# Altium PCB AccessControl_V1.0.0.PcbDoc (part 1 of 3) (continued)
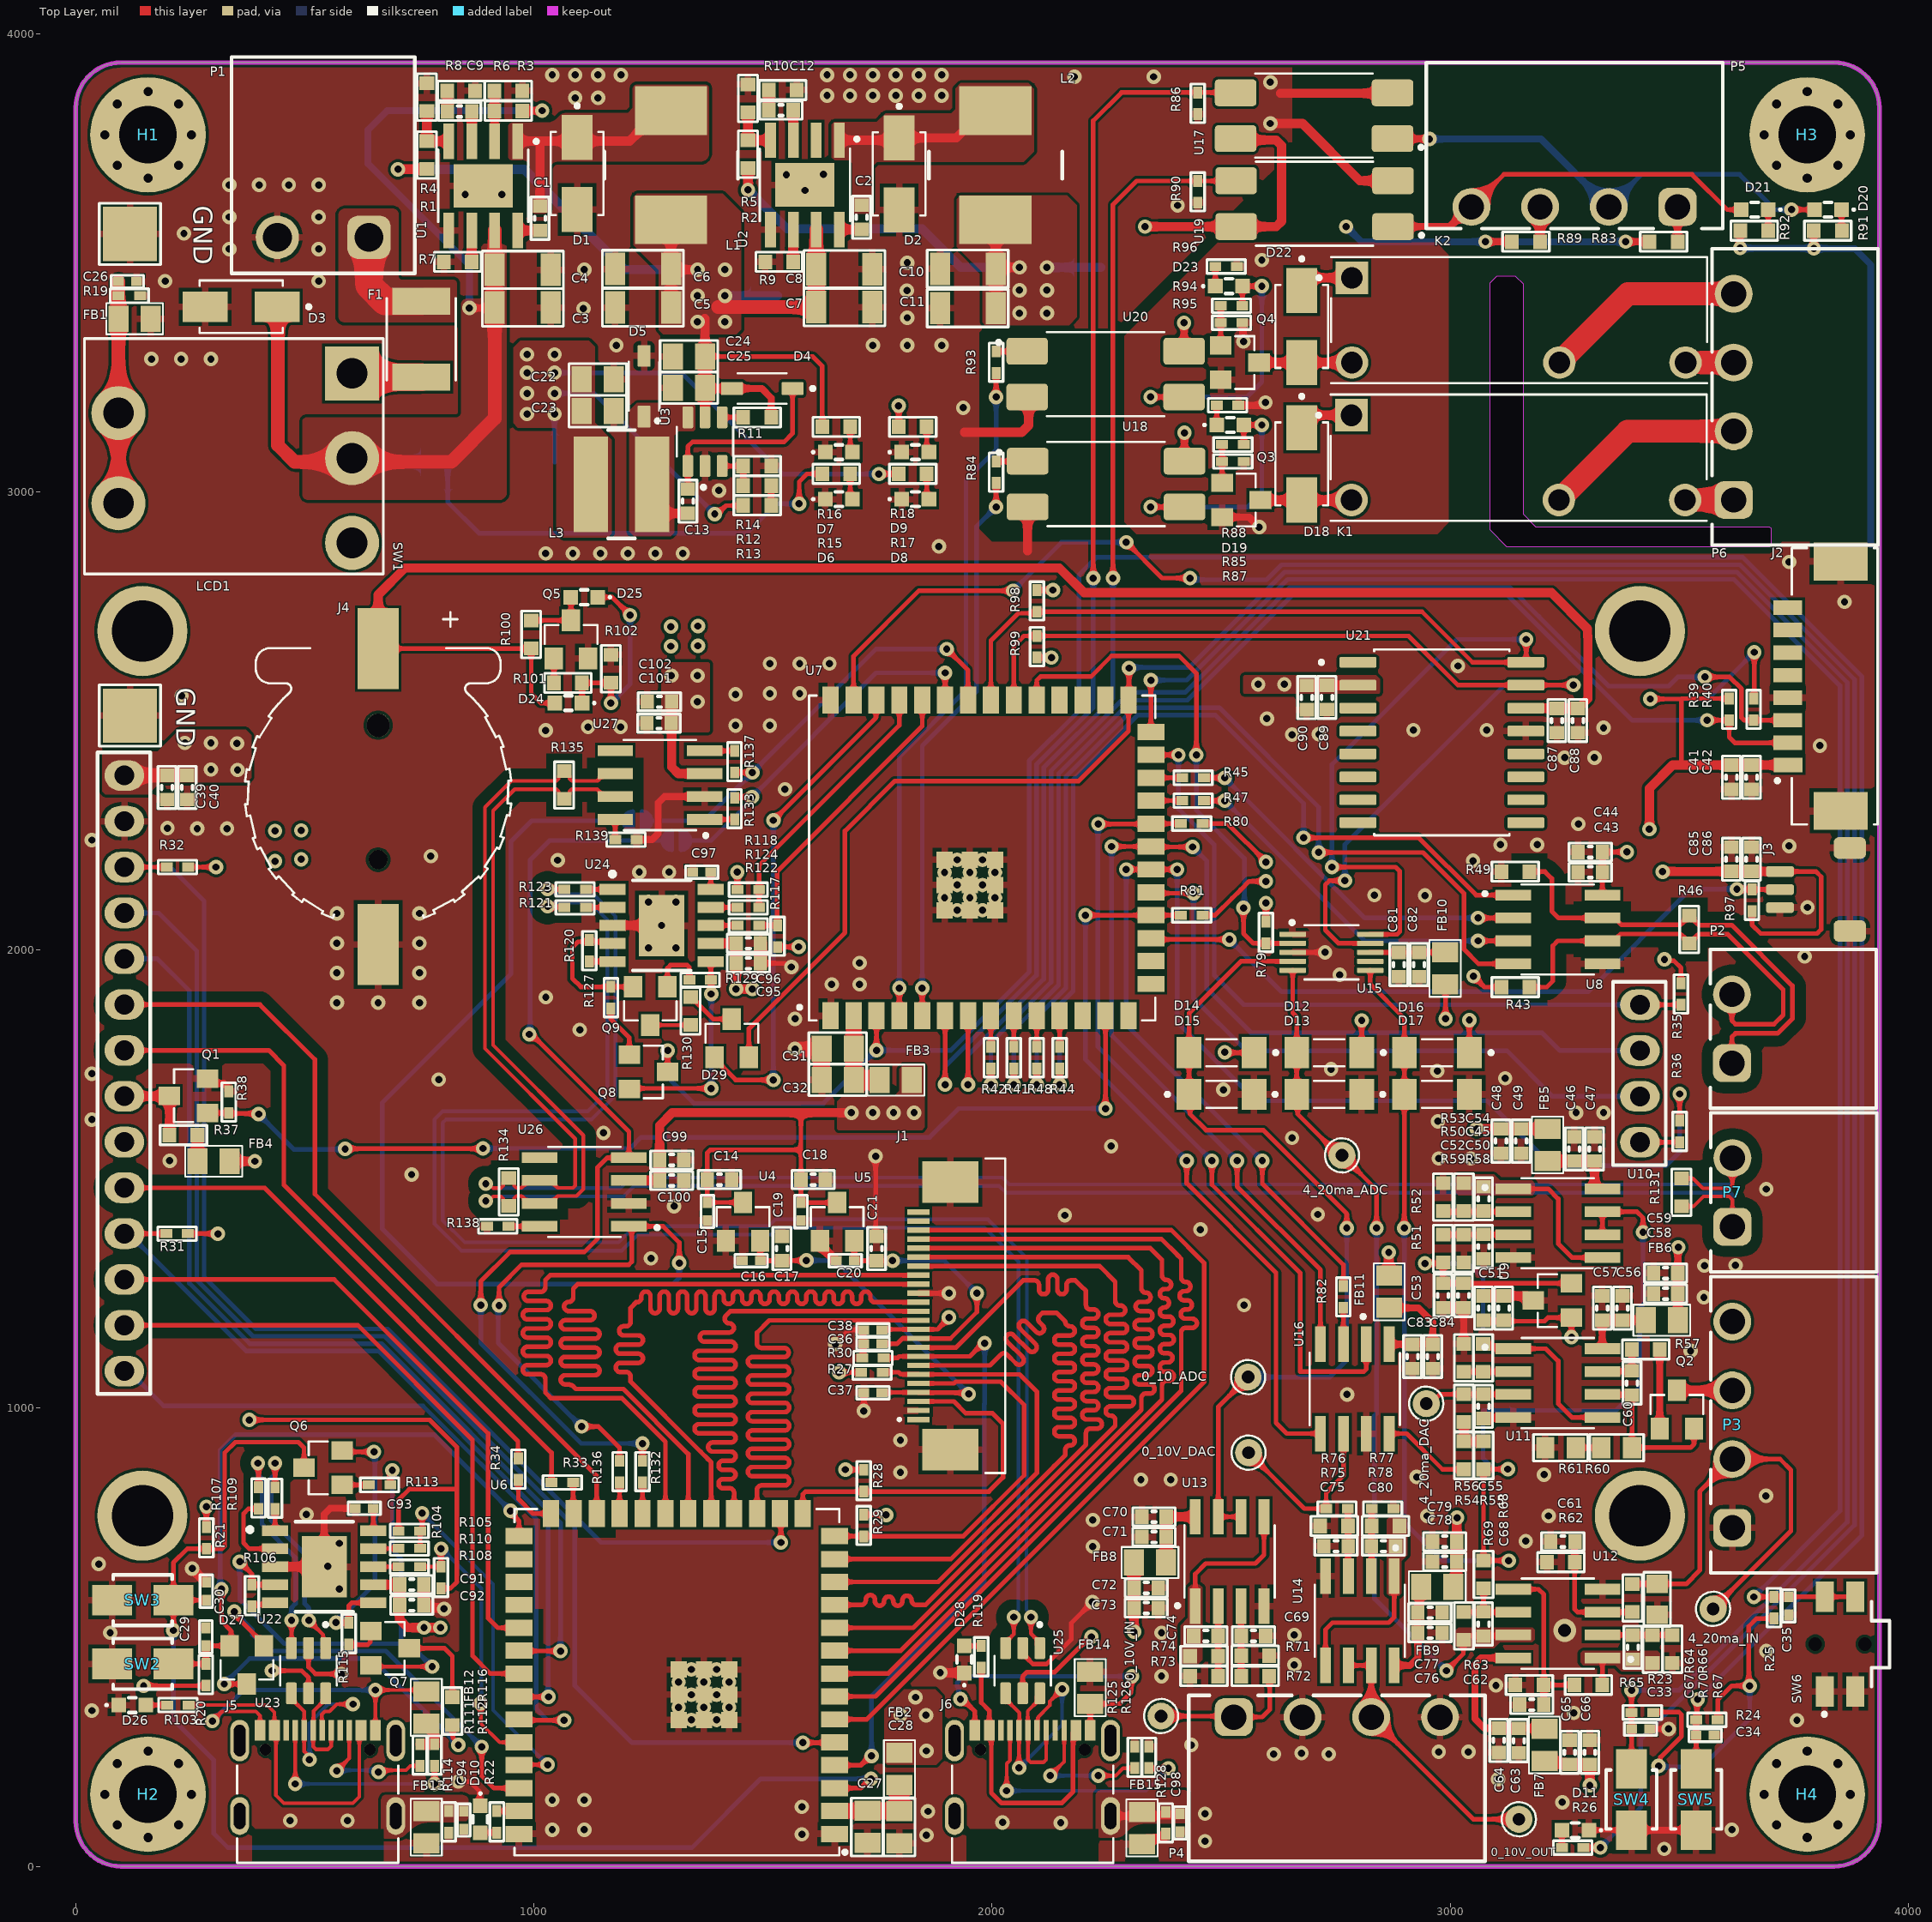
[diagram p0: Top Layer view]
## Design rules (kind name [scope] priority, off if disabled: settings)
Clearance SCK_SPI_TOUCH [InNet('NetLCD1_10')] p1: gap=24 ignorepadtopadclearanceinfootprint=FALSE
Clearance MISO_SPI_TOUCH [InNet('NetLCD1_13')] p2: gap=24 ignorepadtopadclearanceinfootprint=FALSE
Clearance MOSI_SPI_TOUCH [InNet('NetLCD1_12')] p3: gap=24 ignorepadtopadclearanceinfootprint=FALSE
Clearance MOSI_SPI_LCD [InNet('NetLCD1_6')] p4: gap=24 ignorepadtopadclearanceinfootprint=FALSE
Clearance SCK_SPI_LCD [InNet('NetLCD1_7')] p5: gap=24 ignorepadtopadclearanceinfootprint=FALSE
Clearance Diff_clearance [InDifferentialPairClass('All Differential Pairs') vs InPoly] p6: gap=23.62 ignorepadtopadclearanceinfootprint=FALSE
Clearance [All] p7: gap=6 ignorepadtopadclearanceinfootprint=FALSE
DiffPairsRouting [All] p1: maxlimit=10 minlimit=10 mostfreqgap=10 toplayer_minwidth=8 toplayer_maxwidth=15 toplayer_prefwidth=10 midlayer1_minwidth=15 midlayer1_maxwidth=15 midlayer1_prefwidth=15 midlayer2_minwidth=15 midlayer2_maxwidth=15 midlayer2_prefwidth=15 bottomlayer_minwidth=8 bottomlayer_maxwidth=15 bottomlayer_prefwidth=10 maxuncoupledlength=500
PlaneConnect [All] p1: planeconnectstyle=Direct reliefexpansion=20 reliefentries=4 reliefconductorwidth=10 reliefairgap=10
PolygonConnect PolygonConnect_3 [InNet('GND')] p1: thpad.connectstyle=Relief thpad.reliefconductorwidth=15 thpad.reliefentries=4 thpad.polygonreliefangle="90 Angle" thpad.airgapwidth=8 smdpad.connectstyle=Relief smdpad.reliefconductorwidth=15 smdpad.reliefentries=4 smdpad.polygonreliefangle="90 Angle" smdpad.airgapwidth=8 via.connectstyle=Direct via.reliefconductorwidth=15 via.reliefentries=4 via.polygonreliefangle="90 Angle" via.airgapwidth=8
PolygonConnect PolygonConnect_2 [All vs IsNamedPolygon('GND_L01_P000')] p2: connectstyle=Relief reliefconductorwidth=30 reliefentries=4 polygonreliefangle="90 Angle" airgapwidth=15
PolygonConnect PolygonConnect_1 [All vs IsNamedPolygon('GND_L01_P000')] p3: connectstyle=Relief reliefconductorwidth=10 reliefentries=4 polygonreliefangle="90 Angle" airgapwidth=10
PolygonConnect [All] p4: connectstyle=Direct reliefconductorwidth=10 reliefentries=4 polygonreliefangle="90 Angle" airgapwidth=10
RoutingVias [All] p1: holewidth=15.75 width=31.5 viastyle="Through Hole" minholewidth=15.75 minwidth=31.5 maxholewidth=15.75 maxwidth=31.5
SolderMaskExpansion SolderMaskExpansion_Via [IsVia] p1: expansion=4 istentingtop=TRUE
SolderMaskExpansion [All] p2: expansion=4 istentingtop=FALSE
SupplyNets "Schematic Supply Nets_13" [InNet('3V3')] p1: voltage=0.000
SupplyNets "Schematic Supply Nets_12" [InNet('12V')] p2: voltage=0.000
SupplyNets "Schematic Supply Nets_11" [InNet('1V2')] p3: voltage=0.000
SupplyNets "Schematic Supply Nets_10" [InNet('GND')] p4: voltage=0.000
SupplyNets "Schematic Supply Nets_9" [InNet('12V_FILTER_4')] p5: voltage=0.000
SupplyNets "Schematic Supply Nets_7" [InNet('12V_FILTER_5')] p6: voltage=0.000
SupplyNets "Schematic Supply Nets_6" [InNet('12V_FILTER_1')] p7: voltage=0.000
SupplyNets "Schematic Supply Nets_5" [InNet('12V_FILTER_2')] p8: voltage=0.000
SupplyNets "Schematic Supply Nets_4" [InNet('5V')] p9: voltage=0.000
SupplyNets "Schematic Supply Nets_3" [InNet('2V8')] p10: voltage=0.000
SupplyNets "Schematic Supply Nets_2" [InNet('VCC')] p11: voltage=0.000
SupplyNets "Schematic Supply Nets_1" [InNet('12V_FILTER_3')] p12: voltage=0.000
SupplyNets "Schematic Supply Nets" [InNet('2V5')] p13: voltage=0.000
Width [All] p1: maxlimit=100 minlimit=8 preferedwidth=10 checkconnectedcopper=TRUE
28 further rules are at their usual default settings.

## Classes and differential pairs
component class Designator: *1 C3 C4 C7 C9 C13 C14 C16 C20 C27 C91 C93 C94 C96 C97 C99 C101 C102 D1 D4 D5 D7 D11 D29 F1 FB1 GND H1 H3 L2 P1 R1 R3 R4 R5 R11 R15 R17 R31 R43 R52 R55 R59 R88 R104 R106 R118 R120 SW1 TP5 TP8 TP9 TP10 U1 U6 U12 U22 U23
differential pair RS485: +RS485_P -RS485_N
differential pair BLE_USB: +BLE_USB_P -BLE_USB_N
differential pair CAN: +CAN_P -CAN_N
differential pair WIFI: +WIFI_P -WIFI_N
differential pair WIFI_USB: +WIFI_USB_P -WIFI_USB_N
differential pair BLE: +BLE_P -BLE_N

## Components (designator, comment, footprint, x,y, rotation, side; value= is the part's Value field where it differs from the comment)
0_10_ADC "0-10V_ADC" TestPoint_THTPad_D1.5mm_Drill0.7mm 2559,1068 r90 top (schematic designator TP15)
0_10V_DAC "0-10V_DAC" TestPoint_THTPad_D1.5mm_Drill0.7mm 2560,903 r90 top (schematic designator TP16)
0_10V_IN "0-10V_IN" TestPoint_THTPad_D1.5mm_Drill0.7mm 2369,328 r90 top (schematic designator TP14)
0_10V_OUT "0-10V_Output" TestPoint_THTPad_D1.5mm_Drill0.7mm 3150,103 r90 top (schematic designator TP17)
4_20ma_ADC "4-20mA_ADC" TestPoint_THTPad_D1.5mm_Drill0.7mm 2764,1552 r90 top (schematic designator TP13)
4_20ma_DAC "4-20mA_DAC" TestPoint_THTPad_D1.5mm_Drill0.7mm 2948,1010 r90 top (schematic designator TP11)
4_20ma_IN "4_20mA_IN" TestPoint_THTPad_D1.5mm_Drill0.7mm 3574,562 r90 top (schematic designator TP12)
*1 "LOGO" BK_LOGO 2505,3800 r180 bottom
C1 "100nF/50V" CAP_0603 1013.32,3597.13 r90 top
C2 "100nF/50V" CAP_0603 1715.32,3599.13 r90 top
C3 "10uF/35V" CAP_1206 975.32,3402.44 r180 top
C4 "100nF/50V" CAP_1206 975.32,3484.44 r180 top
C5 "47uF/16V" CAP_1206 1238.32,3402.44 r0 top
C6 "47uF/16V" CAP_1206 1238.32,3486.44 r0 top
C7 "10uF/35V" CAP_1206 1677.32,3403 r180 top
C8 "100nF/50V" CAP_1206 1677.32,3486 r180 top
C9 "150pF/50V" CAP_0603 837.74,3830.44 r0 top
C10 "47uF/16V" CAP_1206 1947.32,3487 r0 top
C11 "47uF/16V" CAP_1206 1947.32,3401 r0 top
C12 "150pF/50V" CAP_0603 1539.32,3833 r0 top
C13 "100nF/50V" CAP_0603 1336.38,2979.6 r270 top
C14 "10uF/6.3V" CAP_0603 1405,1499 r180 top
C15 "100nF/50V" CAP_0402 1378.43,1429.31 r90 top
C16 "100nF/50V" CAP_0402 1474.43,1322 r0 top
C17 "10uF/6.3V" CAP_0603 1541.43,1348.57 r270 top
C18 "10uF/6.3V" CAP_0603 1609.57,1499 r180 top
C19 "100nF/50V" CAP_0402 1583,1429 r90 top
C20 "100nF/50V" CAP_0402 1679.72,1322 r0 top
C21 "10uF/6.3V" CAP_0603 1748,1348.57 r270 top
C22 "22uF/16V" CAP_0805 1139.38,3245.6 r180 top
C23 "22uF/16V" CAP_0805 1139.38,3176.6 r180 top
C24 "10uF/50V" CAP_0805 1338.38,3295.6 r0 top
C25 "100nF/50V" CAP_0805 1338.38,3226.6 r0 top
C26 "100nF/50V" CAP_0402 112.84,3459 r0 top
C27 "100nF/50V" CAP_0805 1728,86 r90 top
C28 "22uF/6.3V" CAP_0805 1798,85.69 r90 top
C29 "100nF/50V" CAP_0402 284,501.06 r270 top
C30 "100nF/50V" CAP_0402 285,600.69 r270 top
C31 "100nF/50V" CAP_0805 1663,1785 r0 top
C32 "22uF/6.3V" CAP_0805 1663,1716 r0 top
C33 "100nF/50V" CAP_0402 3415.69,300 r180 top
C34 "100nF/50V" CAP_0402 3556.69,286 r180 top
C35 "100nF/50V" CAP_0402 3739,568.66 r90 top
C36 "100nF/50V" CAP_0402 1740,1140.63 r0 top
C37 "100nF/50V" CAP_0402 1740,1033.83 r0 top
C38 "100nF/50V" CAP_0402 1740,1171 r0 top
C39 "100nF/50V" CAP_0603 199,2355 r90 top
C40 "10uF/16V" CAP_0603 243,2355 r90 top
C41 "10uF/16V" CAP_0603 3614,2377.05 r90 top
C42 "100nF/50V" CAP_0603 3658,2377.05 r90 top
C43 "100nF/50V" CAP_0603 3305.87,2170 r0 top
C44 "10uF/16V" CAP_0603 3305.87,2214 r0 top
C45 "2.2nF/50V" CAP_0603 3073,1352.76 r270 top
C46 "100nF/50V" CAP_0603 3271,1566 r270 top
C47 "10uF/16V" CAP_0603 3315.31,1566 r270 top
C48 "100nF/50V" CAP_0603 3111,1583.06 r90 top
C49 "10uF/16V" CAP_0603 3155,1583.06 r90 top
C50 "10uF/16V" CAP_0603 3073,1218.57 r270 top
C51 "100nF/50V" CAP_0603 3117,1218.57 r270 top
C52 "100nF/50V" CAP_0603 3029,1246 r90 top
C53 "10uF/6.3V" CAP_0603 2984.34,1246 r90 top
C54 "2.2nF/50V" CAP_0603 3073,1456.76 r90 top
C55 "470pF/50V" CAP_0603 3073,1004 r90 top
C56 "100nF/50V" CAP_0603 3376,1218.57 r270 top
C57 "10uF/16V" CAP_0603 3332,1218.57 r270 top
C58 "100nF/50V" CAP_0603 3470.53,1250 r0 top
C59 "10uF/16V" CAP_0603 3470.53,1295 r0 top
C60 "100nF/50V" CAP_0603 3397,1055 r90 top
C61 "2.2nF/50V" CAP_0603 3245.98,709 r180 top
C62 "2.2nF/50V" CAP_0603 3177.98,353 r180 top
C63 "100nF/50V" CAP_0603 3150,274.43 r90 top
C64 "10uF/16V" CAP_0603 3106,275 r90 top
C65 "100nF/50V" CAP_0603 3261,249 r270 top
C66 "10uF/16V" CAP_0603 3305,249 r270 top
C67 "2.2nF/50V" CAP_0603 3399,478.43 r270 top
C68 "2.2nF/50V" CAP_0603 3073,529 r270 top
C69 "2.2nF/50V" CAP_0603 2570.74,503.16 r0 top
C70 "100nF/50V" CAP_0603 2353.53,763 r0 top
C71 "10uF/16V" CAP_0603 2353.53,719 r0 top
C72 "100nF/50V" CAP_0603 2336.47,608 r180 top
C73 "10uF/16V" CAP_0603 2336.47,564 r180 top
C74 "2.2nF/50V" CAP_0603 2466.74,503.16 r180 top
C75 "2.2nF/50V" CAP_0603 2751,699 r180 top
C76 "100nF/50V" CAP_0603 2956,510 r180 top
C77 "10uF/16V" CAP_0603 2956,554 r180 top
C78 "100nF/50V" CAP_0603 2988,665 r0 top
C79 "10uF/16V" CAP_0603 2988,709 r0 top
C80 "2.2nF/50V" CAP_0603 2854.57,699 r0 top
C81 "100nF/50V" CAP_0603 2888,1968.43 r90 top
C82 "10uF/16V" CAP_0603 2932,1968.43 r90 top
C83 "100nF/50V" CAP_0603 2918,1113 r90 top
C84 "10uF/16V" CAP_0603 2962,1113 r90 top
C85 "10uF/16V" CAP_0603 3614,2198.05 r270 top
C86 "100nF/50V" CAP_0603 3658,2198.05 r270 top
C87 "100nF/50V" CAP_0603 3233,2501 r90 top
C88 "10uF/16V" CAP_0603 3279,2501 r90 top
C89 "100nF/50V" CAP_0603 2731,2551.43 r90 top
C90 "10uF/16V" CAP_0603 2687,2551 r90 top
C91 "10uF/16V" CAP_0603 733.2,615 r180 top
C92 "100nF/50V" CAP_0603 733.2,570 r180 top
C93 "100nF/50V" CAP_0402 629.86,781.6 r0 top
C94 "100nF/50V" CAP_0402 847,101.1 r270 top
C95 "10uF/16V" CAP_0603 1468,1971 r180 top
C96 "100nF/50V" CAP_0603 1468,2015 r180 top
C97 "100nF/50V" CAP_0402 1366.31,2170 r0 top
C98 "100nF/50V" CAP_0402 2410.52,95 r270 top
C99 "10uF/16V" CAP_0603 1301,1542 r180 top
C100 "100nF/50V" CAP_0603 1301,1497 r180 top
C101 "10uF/16V" CAP_0603 1273,2495 r0 top
C102 "100nF/50V" CAP_0603 1274,2542 r0 top
D1 "SS54" D_SMA 1094.32,3695 r270 top
D2 "SS54" D_SMA 1797.32,3694 r270 top
D3 "SS54" D_SMA 361,3404 r180 top
D4 "MBR0520T1G" SOD-123 1498.38,3225.6 r180 top
D5 "MBR0520T1G" SOD-123 1240.38,3230.6 r90 top
D6 "VCC" LED_0603Y 1665.7,2984 r0 top
D7 "12V" LED_0603Y 1665.7,3086.67 r0 top
D8 "5V" LED_0603Y 1832.7,2984 r0 top
D9 "3V3" LED_0603Y 1832.7,3086.67 r0 top
D10 "BLE_STATUS" LED_0603Y 883,103.07 r270 top
D11 "WF_STATUS" LED_0603Y 3273.4,79 r180 top
D12 "BZV55-C3V3" SOD-80 2736,1776 r180 top
D13 "BZV55-C3V3" SOD-80 2736,1685 r0 top
D14 "BZV55-C3V3" SOD-80 2501,1776 r180 top
D15 "BZV55-C3V3" SOD-80 2501,1685 r0 top
D16 "BZV55-C3V3" SOD-80 2971,1776 r180 top
D17 "BZV55-C3V3" SOD-80 2971,1685 r0 top
D18 "SS54" D_SMA 2676,3060.98 r270 top
D19 "Relay_1" LED_0603Y 2519.98,3146 r0 top
D20 "DIN_1" LED_0603Y 3825,3616 r180 top
D21 "DIN_2" LED_0603Y 3665,3616 r180 top
D22 "SS54" D_SMA 2676,3360.98 r270 top
D23 "Relay_2" LED_0603Y 2516.98,3449 r0 top
D24 "LED_Green_0603" LED_0603G 1075.53,2539 r180 top
D25 "LED_Red_0603" LED_0603R 1110,2770 r180 top
D26 "USB_1" LED_0603Y 123,352 r0 top
D27 "BAT54C" SOT-23 373.4,439.64 r180 top
D28 "USB_2" LED_0603Y 1939.37,451.48 r90 top
D29 "BAT54C" SOT-23 1432,1807.63 r0 top
F1 "Fuse_0.75A" FUSER_MF-MSMF075/24-2 754,3333 r270 top
FB1 "120Ohm" Ferrite_Bead_0805 128.26,3378 r0 top
FB2 "120Ohm" Ferrite_Bead_0805 1798,213.11 r90 top
FB3 "120Ohm" Ferrite_Bead_0805 1790.11,1716 r0 top
FB4 "120Ohm" Ferrite_Bead_0805 301,1539 r180 top
FB5 "120Ohm" Ferrite_Bead_0805 3213,1574.53 r90 top
FB6 "120Ohm" Ferrite_Bead_0805 3462,1192 r0 top
FB7 "120Ohm" Ferrite_Bead_0805 3206,265 r270 top
FB8 "120Ohm" Ferrite_Bead_0805 2345,663 r180 top
FB9 "120Ohm" Ferrite_Bead_0805 2972,610 r0 top
FB10 "120Ohm" Ferrite_Bead_0805 2989,1959.89 r270 top
FB11 "120Ohm" Ferrite_Bead_0805 2867,1254 r90 top
FB12 "120Ohm" Ferrite_Bead_0805 765,347 r270 top
FB13 "120Ohm" Ferrite_Bead_0805 765,85.68 r270 top
FB14 "120Ohm" Ferrite_Bead_0805 2214.52,390 r90 top
FB15 "120Ohm" Ferrite_Bead_0805 2327.52,84 r270 top
GND "GND3" TestPoint_Pad_3.0x3.0mm 118.11,2511.81 r180 bottom locked (schematic designator TP4)
GND "GND2" TestPoint_Pad_3.0x3.0mm 118.11,2511.81 r0 top locked (schematic designator TP3)
GND "GND1" TestPoint_Pad_3.0x3.0mm 118.11,3562.99 r180 bottom locked (schematic designator TP2)
GND "GND" TestPoint_Pad_3.0x3.0mm 118.11,3562.99 r0 top locked (schematic designator TP1)
H1 "Mounting Hole without connection" MountingHole_3.2mm_M3_Pad_Via 157.48,3779.53 r0 top locked
H2 "Mounting Hole without connection" MountingHole_3.2mm_M3_Pad_Via 157.48,157.48 r0 top locked
H3 "Mounting Hole without connection" MountingHole_3.2mm_M3_Pad_Via 3779.53,3779.53 r0 top locked
H4 "Mounting Hole without connection" MountingHole_3.2mm_M3_Pad_Via 3779.53,157.48 r0 top locked
J1 "Camera" FPC_0.5mm_24P 1909,1201.73 r90 top locked
J2 "FingerPrint" MX_1.25mm_8P 3738,2404.05 r90 top
J3 "DHT22" JST_SH_BM03B-SRSS-TB_1x03-1MP_P1.00mm_horizontal 3798.74,2132.05 r270 top
J4 "CR1220" Battery_Holder_CR1220 660,2344 r180 top
J5 "USB_C_16P" USB_TypeC_3.1 528,110 r0 top locked
J6 "USB_C_16P" USB_TypeC_3.1 2088.52,110 r0 top
J7 "Jumper_Open" SolderBridgeOpen 1226,2282 r180 bottom
J8 "Jumper_Open" SolderBridgeOpen 1311,2239 r180 bottom
K1 "HF46F 12-HS1" RELAY_HF46F_005-HS1 3146.86,3074.76 r0 top
K2 "HF46F 12-HS1" RELAY_HF46F_005-HS1 3147.86,3374.76 r0 top
L1 "10uH, 4A" Inductor_0630 1299.32,3713 r270 top
L2 "10uH, 4A" Inductor_0630 2007.32,3713 r270 top
L3 "22uH, 1A" Inductor_CDRH4D28 1191.38,3016.6 r180 top
LCD1 "ILI9341" LCD_TFT_ILI9341_3.2 1770,1724 r270 top locked
P1 "5.08mm_2P" Terminal_Block_5.08mm_2P 540,3713 r180 top
P2 "3.81mm_2P" Terminal_Block_3.81mm_2P 3749,1828.05 r90 top
P3 "3.81mm_4P" Terminal_Block_3.81mm_4P 3749.86,964 r90 top
P4 "3.81mm_4P" Terminal_Block_3.81mm_4P 2752.83,192 r0 top
P5 "3.81mm_4P" Terminal_Block_3.81mm_4P 3271.46,3755.9 r180 top
P6 "3.81mm_4P" Terminal_Block_3.81mm_4P 3752.86,3207.24 r90 top
P7 "3.81mm_2P" Terminal_Block_3.81mm_2P 3750,1471.05 r90 top
Q1 "SI2308" SOT-23 246,1682 r90 top
Q2 "SI2308" SOT-23 3495,997.27 r0 top
Q3 "MMBT2222A" SOT-23 2544,2982.24 r270 top
Q4 "MMBT2222A" SOT-23 2541,3282.24 r270 top
Q5 "MMBT2222A" SOT-23 1081,2678 r0 top
Q6 "MMBT2222A" SOT-23 539.73,870 r90 top
Q7 "MMBT2222A" SOT-23 686,476 r270 top
Q8 "MMBT2222A" SOT-23 1250,1734 r270 top
Q9 "MMBT2222A" SOT-23 1254,1878 r180 top
R1 "68K/1%/1_10W" Resistor_0603 766.32,3734.94 r270 top
R2 "75K/1%/1_10W" Resistor_0603 1467.32,3737 r270 top
R3 "100K/1%/1_10W" Resistor_0603 944.32,3831.44 r0 top
R4 "4.7K/1%/1_10W" Resistor_0603 766.32,3861.44 r270 top
R5 "24K/5%/1_10W" Resistor_0603 1467.32,3859 r270 top
R6 "10.2K/1%/1_10W" Resistor_0603 944.32,3875.44 r180 top
R7 "100K/1%/1_10W" Resistor_0603 833.82,3502 r0 top
R8 "100K/1%/1_10W" Resistor_0603 841.32,3875.44 r180 top
R9 "100K/1%/1_10W" Resistor_0603 1535.32,3502 r0 top
R10 "100K/1%/1_10W" Resistor_0603 1543.32,3877 r180 top
R11 "100K/1%/1_10W" Resistor_0603 1487.38,3162.6 r0 top
R12 "44.2K/1%/1_10W" Resistor_0603 1487.38,3013.6 r180 top
R13 "0R/1%/1_10W" Resistor_0603 1487.38,2970.6 r0 top
R14 "8.2K/1%/1_10W" Resistor_0603 1487.38,3056.6 r180 top
R15 "4.7K/1%/1_10W" Resistor_0603 1660,3039.33 r180 top
R16 "4.7K/1%/1_10W" Resistor_0603 1660,3142 r180 top
R17 "4.7K/1%/1_10W" Resistor_0603 1827,3039.33 r180 top
R18 "4.7K/1%/1_10W" Resistor_0603 1827,3142 r180 top
R19 "10K/1%/1_16W" RESISTOR_0402 116.78,3428 r0 top
R20 "10K/1%/1_16W" RESISTOR_0402 284,418.38 r270 top
R21 "10K/1%/1_16W" RESISTOR_0402 285,716.99 r90 top
R22 "1K/1%/1_16W" RESISTOR_0402 919,97.17 r270 top
R23 "10K/1%/1_16W" RESISTOR_0402 3419.62,336 r0 top
R24 "10K/1%/1_16W" RESISTOR_0402 3560.62,320 r0 top
R25 "10K/1%/1_16W" RESISTOR_0402 3707,564.72 r270 top
R26 "1K/1%/1_16W" RESISTOR_0402 3267.5,41 r180 top
R27 "4.7K/1%/1_16W" RESISTOR_0402 1738,1078 r180 top
R28 "4.7K/1%/1_16W" RESISTOR_0402 1720,842 r90 top
R29 "4.7K/1%/1_16W" RESISTOR_0402 1720,744 r90 top
R30 "10K/1%/1_16W" RESISTOR_0402 1740,1109.63 r0 top
R31 "10K/1%/1_16W" RESISTOR_0402 221,1381 r0 top
R32 "10K/1%/1_16W" RESISTOR_0402 222,2181 r0 top
R33 "22R/1%/1_16W" RESISTOR_0402 1062,838 r180 top
R34 "22R/1%/1_16W" RESISTOR_0402 966,867 r90 top
R35 "10K/1%/1_16W" RESISTOR_0402 3504,1904 r90 top
R36 "22R/1%/1_16W" RESISTOR_0402 3501,1604 r270 top
R37 "1K/1%/1_10W" Resistor_0603 235,1596 r0 top
R38 "10K/1%/1_16W" RESISTOR_0402 334,1668 r270 top
R39 "10K/1%/1_16W" RESISTOR_0402 3609.31,2525.14 r90 top
R40 "10K/1%/1_16W" RESISTOR_0402 3662.69,2525.14 r90 top
R41 "22R/1%/1_16W" RESISTOR_0402 2047.62,1765 r270 top
R42 "22R/1%/1_16W" RESISTOR_0402 1997.62,1765 r270 top
R43 "10K/1%/1_10W" Resistor_0603 3142.31,1919 r180 top
R44 "22R/1%/1_16W" RESISTOR_0402 2147.62,1765 r270 top
R45 "22R/1%/1_16W" RESISTOR_0402 2439,2376 r0 top
R46 "120R/1%/1_10W" Resistor_0603 3522,2045 r270 top
R47 "22R/1%/1_16W" RESISTOR_0402 2439,2326 r0 top
R48 "22R/1%/1_16W" RESISTOR_0402 2097.62,1765 r270 top
R49 "10K/1%/1_10W" Resistor_0603 3142.31,2171 r180 top
R50 "30K/1%/1_10W" Resistor_0603 3030,1348.76 r270 top
R51 "100K/1%/1_10W" Resistor_0603 2984.65,1348.26 r90 top
R52 "100K/1%/1_10W" Resistor_0603 2984.65,1460.76 r270 top
R53 "30K/1%/1_10W" Resistor_0603 3030,1460.76 r90 top
R54 "100K/1%/1_10W" Resistor_0603 3030,897 r90 top
R55 "100K/1%/1_10W" Resistor_0603 3073,897 r90 top
R56 "51R/5%/1_10W" Resistor_0603 3030,1000 r90 top
R57 "100R/1%/1_8W" Resistor_0603 3427,1128 r0 top
R58 "100K/1%/1_10W" Resistor_0603 3072,1110 r90 top
R59 "100K/1%/1_10W" Resistor_0603 3030,1110 r270 top
R60 "180R/1%/1_8W" Resistor_0805 3363.5,914 r0 top
R61 "8.2R/5%/1_8W" Resistor_0805 3241.06,914 r180 top
R62 "56K/1%/1_10W" Resistor_0603 3242,664 r180 top
R63 "100K/1%/1_10W" Resistor_0603 3173,396 r180 top
R64 "53.6K/1%/1_10W" Resistor_0603 3398,586 r270 top
R65 "100K/1%/1_10W" Resistor_0603 3302,396 r180 top
R66 "180R/1%/1_8W" Resistor_0805 3452,583 r90 top
R67 "53.6K/1%/1_10W" Resistor_0603 3485,474 r90 top
R68 "100K/1%/1_10W" Resistor_0603 3073,637 r270 top
R69 "100K/1%/1_10W" Resistor_0603 3030,525 r270 top
R70 "56K/1%/1_10W" Resistor_0603 3442,474 r270 top
R71 "30K/1%/1_10W" Resistor_0603 2574.74,460.16 r0 top
R72 "100K/1%/1_10W" Resistor_0603 2574.74,415.16 r180 top
R73 "100K/1%/1_10W" Resistor_0603 2462.74,415.16 r0 top
R74 "30K/1%/1_10W" Resistor_0603 2462.74,459.16 r180 top
R75 "100K/1%/1_10W" Resistor_0603 2747,743 r180 top
R76 "30K/1%/1_16W" RESISTOR_0402 2753,781 r0 top
R77 "30K/1%/1_16W" RESISTOR_0402 2852.62,781 r180 top
R78 "100K/1%/1_10W" Resistor_0603 2859,743 r0 top
R79 "10K/1%/1_16W" RESISTOR_0402 2598,2038.31 r90 top
R80 "10K/1%/1_16W" RESISTOR_0402 2436,2275.94 r0 top
R81 "10K/1%/1_16W" RESISTOR_0402 2436,2075.94 r0 top
R82 "22R/1%/1_16W" RESISTOR_0402 2767,1243 r270 top
R83 "1K/1%/1_10W" Resistor_0603 3466,3546 r0 top
R84 "220/5%/1_16W" RESISTOR_0402 2009,3043 r90 top
R85 "1K/1%/1_16W" RESISTOR_0402 2525.89,3103.24 r180 top
R86 "10K/1%/1_16W" RESISTOR_0402 2449,3848 r90 top
R87 "10K/1%/1_16W" RESISTOR_0402 2525.89,3066.24 r180 top
R88 "10K/1%/1_16W" RESISTOR_0402 2514.08,3189 r180 top
R89 "1K/1%/1_10W" Resistor_0603 3165.5,3546 r0 top
R90 "10K/1%/1_16W" RESISTOR_0402 2449,3655 r90 top
R91 "10K/1%/1_10W" Resistor_0603 3824.5,3570 r0 top
R92 "10K/1%/1_10W" Resistor_0603 3664,3570 r0 top
R93 "220/5%/1_16W" RESISTOR_0402 2009,3283 r90 top
R94 "1K/1%/1_16W" RESISTOR_0402 2522.89,3406.24 r180 top
R95 "10K/1%/1_16W" RESISTOR_0402 2522.89,3369.24 r180 top
R96 "10K/1%/1_16W" RESISTOR_0402 2511.08,3492 r180 top
R97 "10K/1%/1_16W" RESISTOR_0402 3659,2108.43 r270 top
R98 "4.7K/1%/1_16W" RESISTOR_0402 2098,2762 r90 top
R99 "4.7K/1%/1_16W" RESISTOR_0402 2098,2662 r270 top
R100 "100R/1%/1_10W" Resistor_0603 994,2689 r270 top
R101 "1K/1%/1_10W" Resistor_0603 1074,2583 r180 top
R102 "100R/1%/1_10W" Resistor_0603 1168,2614 r270 top
R103 "1K/1%/1_16W" RESISTOR_0402 223,352 r180 top
R104 "10K/1%/1_16W" RESISTOR_0402 797,630.38 r270 top
R105 "10K/1%/1_16W" RESISTOR_0402 728,732 r180 top
R106 "4.7K/1%/1_16W" RESISTOR_0402 384.26,591.01 r90 top
R107 "22R/1%/1_16W" RESISTOR_0402 399,804 r270 top
R108 "22R/1%/1_16W" RESISTOR_0402 728,654 r0 top
R109 "22R/1%/1_16W" RESISTOR_0402 435,803.62 r270 top
R110 "22R/1%/1_16W" RESISTOR_0402 728,694 r0 top
R111 "5.1K/1%/1_16W" RESISTOR_0402 751,243 r270 top
R112 "5.1K/1%/1_16W" RESISTOR_0402 783,243 r270 top
R113 "10K/1%/1_16W" RESISTOR_0402 663,832.6 r180 top
R114 "10K/1%/1_16W" RESISTOR_0402 814,97.17 r270 top
R115 "10K/1%/1_16W" RESISTOR_0402 596,508 r270 top
R116 "220R/1%/1_10W" Resistor_0603 822,339 r270 top
R117 "10K/1%/1_16W" RESISTOR_0402 1532,2030.12 r270 top
R118 "10K/1%/1_16W" RESISTOR_0402 1468,2132 r180 top
R119 "1K/1%/1_16W" RESISTOR_0402 1976.37,457.48 r90 top
R120 "4.7K/1%/1_16W" RESISTOR_0402 1121,1998.62 r90 top
R121 "22R/1%/1_16W" RESISTOR_0402 1090,2093.11 r0 top
R122 "22R/1%/1_16W" RESISTOR_0402 1468,2053.74 r0 top
R123 "22R/1%/1_16W" RESISTOR_0402 1090,2132.48 r0 top
R124 "22R/1%/1_16W" RESISTOR_0402 1468,2093.11 r0 top
R125 "5.1K/1%/1_16W" RESISTOR_0402 2311.52,238 r270 top
R126 "5.1K/1%/1_16W" RESISTOR_0402 2342.52,238 r270 top
R127 "10K/1%/1_16W" RESISTOR_0402 1168,1896 r270 top
R128 "10K/1%/1_16W" RESISTOR_0402 2379.52,95 r270 top
R129 "10K/1%/1_16W" RESISTOR_0402 1363,1935 r180 top
R130 "220R/1%/1_10W" Resistor_0603 1342,1867 r90 top
R131 "120R/1%/1_10W" Resistor_0603 3505,1471.05 r270 top
R132 "22R/1%/1_16W" RESISTOR_0402 1187,861.62 r90 top
R133 "22R/1%/1_16W" RESISTOR_0402 1438,2308.62 r90 top
R134 "120R/1%/1_10W" Resistor_0603 945,1472 r90 top
R135 "120R/1%/1_10W" Resistor_0603 1066,2360 r270 top
R136 "22R/1%/1_16W" RESISTOR_0402 1237,861.62 r90 top
R137 "22R/1%/1_16W" RESISTOR_0402 1438,2411 r270 top
R138 "10K/1%/1_16W" RESISTOR_0402 921,1397 r180 top
R139 "10K/1%/1_16W" RESISTOR_0402 1201,2241 r0 top
SW1 "PWR" MTS-102-C3 93.16,3073.63 r0 top locked
SW2 "BLE_Flash" Button_3x4mm_SMD_2P 146,442 r0 top
SW3 "BLE_Enable" Button_3x4mm_SMD_2P 146,581 r0 top
SW4 "WF_Flash" Button_3x4mm_SMD_2P 3396,146 r90 top
SW5 "WF_Enable" Button_3x4mm_SMD_2P 3537,146 r90 top
SW6 "WF_SW_Status" Button_4.5x4.7mm_SMD_4P 3851,485 r90 top
TP5 "VCC" TestPoint_Pad_3.0x3.0mm 812,3064 r90 bottom
TP6 "12V" TestPoint_Pad_3.0x3.0mm 1532,3428 r90 bottom
TP7 "5V" TestPoint_Pad_3.0x3.0mm 1045,3065 r90 bottom
TP8 "3V3" TestPoint_Pad_3.0x3.0mm 2237,3490 r90 bottom
TP9 "VREF_0.75V" TestPoint_Pad_3.0x3.0mm 3072,995.28 r180 bottom
TP10 "2V5" TestPoint_Pad_3.0x3.0mm 3072,1176 r180 bottom
U1 "MP1584EN-LF-Z" SOIC-8E 889.32,3668 r270 top
U2 "MP1584EN-LF-Z" SOIC-8E 1591.32,3670 r270 top
U3 "LM2734YMK" TSOT-23-6 1373.38,3109.6 r90 top
U4 "XC6206P282MR" SOT-23 1456.43,1407.27 r0 top
U5 "XC6206P122MR" SOT-23 1662,1407.27 r0 top
U6 "ESP32-S3-WROOM-1U-N16R8" XCVR_ESP32-S3-WROOM-1U-N16R8 1312,401.89 r180 top locked
U7 "ESP32-S3-WROOM-1U-N8R2" XCVR_ESP32-S3-WROOM-1U-N16R8 1978.72,2200.94 r90 top
U8 "MAX3485EESA+" SOIC-8 3235,2045 r0 top
U9 "MCP1525T-I/TT" SOT-23 3223,1235 r90 top
U10 "NE5532DR" SOIC-8 3235,1403.76 r0 top
U11 "NE5532DR" SOIC-8 3235,1055 r0 top
U12 "NE5532DR" SOIC-8 3235,530 r180 top
U13 "NE5532DR" SOIC-8 2518.74,665.6 r90 top
U14 "NE5532DR" SOIC-8 2803,536 r270 top
U15 "ADS1115IDGSR" VSSOP-10 2741,1995 r0 top
U16 "MCP4822-E/SN" SOIC-8 2792,1042 r270 top
U17 "PC817X2NIPW" SOP-4 2703,3821 r180 top
U18 "PC817X2NIPW" SOP-4 2249,3017 r0 top
U19 "PC817X2NIPW" SOP-4 2704,3629 r180 top
U20 "PC817X2NIPW" SOP-4 2248,3257 r0 top
U21 "DS3231SN" SOIC-16 2982,2453 r0 top
U22 "CH340K" EESOP10 542.26,654 r0 top
U23 "USBLC6-2SC6" SOT-23-6 508,427 r270 top
U24 "CH340K" EESOP10 1278.72,2053.74 r0 top
U25 "USBLC6-2SC6" SOT-23-6 2066.93,427 r270 top
U26 "SN65HVD230DR" SOIC-8 1110,1472 r180 top
U27 "SN65HVD230DR" SOIC-8 1275,2360 r180 top

## Footprints (in the part's own frame and the unit in brackets; to place one, negate y for a bottom-side part, rotate by r counter-clockwise, add the part's x,y. Pads: shape width x height; smd on the part's side, far side on the other; paste and mask are expansions set on the pad)
Battery_Holder_CR1220 [mm]
  rect 2.3x4.5 smd: N(0,8.425) P(0,-7.975)
  round 1.05 hole 1.05 unplated: ""(0,3.725)
  round 1.3 hole 1.3 unplated: ""(0,-3.725)
  silkscreen extent -7.37,-10 7.37,6.96, body extent -7.37,-9.6 7.37,9.6, height 4.25
BK_LOGO [mil]
  silkscreen extent 94,-146 1751,87
Button_3x4mm_SMD_2P [mm]
  rect 2.2x1.7 smd: 1(-1.7,0) 2(1.7,0)
  silkscreen extent -1.64,-1.4 1.64,1.4, body extent -2,-1.25 2,1.25, height 1.59
Button_4.5x4.7mm_SMD_4P [mm]
  rect 1.7x1 smd: 1(-2.625,0.847) 2(2.625,0.847) 3(-2.625,-0.853) 4(2.625,-0.853)
  round 0 hole 0.75 unplated: 5(0,1.372) 6(0,-1.378)
  silkscreen extent -3.94,-2.75 2.35,0.91, body extent -3.15,-2.75 3.25,1.79, height 1.65
CAP_0402 [mm]
  rect 0.6x0.5 smd: 1(-0.5,0) 2(0.5,0)
  silkscreen extent -0.9,-0.35 0.9,0.35, body extent -0.51,-0.25 0.51,0.25, height 0.5
CAP_0603 [mm]
  rect 0.75x0.8 smd: 1(-0.675,0) 2(0.675,0)
  silkscreen extent -1.17,-0.5 1.17,0.5, body extent -0.8,-0.43 0.8,0.43, height 0.8
CAP_0805 [mil]
  rect 44x57 smd: 1(-35.11,0) 2(35.31,0)
  silkscreen extent -63,-34 63,35, body extent -39,-25 39,25, height 22
CAP_1206 [mil] "Chip Capacitor, 2-Leads, Body 3.20x1.60mm, IPC Medium Density"
  rect 44x71 smd: 1(-61,0) 2(61,0)
  silkscreen extent -89,-41 88,41, body extent -63,-31 63,31, height 35
D_SMA [mm]
  rect 2.5x1.7 smd: 1(-2,0) 2(2,0)
  silkscreen extent -3.85,-1.46 2.3,1.46, body extent -2.63,-1.35 2.37,1.35, height 2.22
EESOP10 [mm] "SOP, 10-Leads, Body 4.90x3.94mm, Pitch 1.00mm, Thermal Pad 3.40x2.50mm, IPC Medium Density"
  rect 1.45x0.6 smd: 1(-2.725,2) 2(-2.725,1) 3(-2.725,0) 4(-2.725,-1) 5(-2.725,-2) 6(2.725,-2) 7(2.725,-1) 8(2.725,0) 9(2.725,1) 10(2.725,2)
  rect 2.5x3.4 smd: 11(0,0)
  silkscreen extent -4.25,-2.5 1.6,2.5, body extent -2.74,-2.45 2.74,2.45, height 1.61
Ferrite_Bead_0805 [mil] "Ferrite  Bead, body 2.00x1.20mm"
  rect 44x57 smd: 1(-35.11,0) 2(35.11,0)
  silkscreen extent -62,-34 62,34, body extent -39,-25 39,25, height 41
FPC_0.5mm_24P [mm]
  rect 0.3x1.25 smd: 1(-5.75,1.775) 2(-5.25,1.775) 3(-4.75,1.775) 4(-4.25,1.775) 5(-3.75,1.775) 6(-3.25,1.775) 7(-2.75,1.775) 8(-2.25,1.775) 9(-1.75,1.775) 10(-1.25,1.775) 11(-0.75,1.775) 12(-0.25,1.775) 13(0.25,1.775) 14(0.75,1.775) 15(1.25,1.775) 16(1.75,1.775) 17(2.25,1.775) 18(2.75,1.775) 19(3.25,1.775) 20(3.75,1.775) 21(4.25,1.775) 22(4.75,1.775) 23(5.25,1.775) 24(5.75,1.775)
  rect 2.3x3.1 smd: SH1(-7.42,0) SH2(7.42,0)
  silkscreen extent -8.71,-3.05 8.71,2.88, body extent -8.71,-3.18 8.71,1.92, height 2.1
FUSER_MF-MSMF075/24-2 [mm]
  rect 1.5x3.2 smd: 1(-2.1,0) 2(2.1,0)
  silkscreen extent -2.27,-1.91 2.27,1.91, body extent -2.27,-1.62 2.27,1.62, height 0.85
Inductor_0630 [mm] "SMD Power Inductor, body 7x7x3mm"
  rect 2.7x4 smd: 1(-3.025,0) 2(3.025,0)
  silkscreen extent -0.75,-3.68 0.75,3.71, body extent -3.45,-3.6 3.45,3.6, height 3.01
Inductor_CDRH4D28 [mm] "SMD Power Inductor, body 4.8x4.8x2.8 mm"
  rect 1.9x5.3 smd: 1(-1.7,0) 2(1.7,0)
  silkscreen extent -0.75,-3 0.75,3, body extent -2.42,-2.42 2.48,2.48, height 2.91
JST_SH_BM03B-SRSS-TB_1x03-1MP_P1.00mm_horizontal [mm]
  rrect50% 0.6x1.55 smd: 1(-1,-2) 2(0,-2) 3(1,-2)
  rrect50% 1.2x1.8 smd: SH1(-2.3,1.875) SH2(2.3,1.875)
  body extent -2.45,-1.97 2.55,2.98, height 2.96
LCD_TFT_ILI9341_3.2 [mm]
  oval 1.7x2.2 hole 1.1 mask+0.102: 1(-16.688,-42.266) 2(-14.148,-42.266) 3(-11.608,-42.266) 4(-9.068,-42.266) 5(-6.528,-42.266) 6(-3.988,-42.266) 7(-1.448,-42.266) 8(1.092,-42.266) 9(3.632,-42.266) 10(6.172,-42.266) 11(8.712,-42.266) 12(11.252,-42.266) 13(13.792,-42.266) 14(16.332,-42.266) 15(-3.978,41.764) 16(-1.438,41.764) 17(1.102,41.764) 18(3.642,41.764)
  round 5 / inner oval 1.5x2 / far side round 5 hole 3.4 mask+0.102: NC(-24.698,41.764) NC(-24.698,-41.266) NC(24.342,41.764) NC(24.342,-41.266)
  silkscreen extent -17.96,-43.75 17.6,43.2, body extent -27.57,-44.19 27.47,45.11, height 16.7
LED_0603G [mil]
  rect 32x32 smd: A(29.53,0) C(-29.53,0)
  silkscreen extent -57,-16 8,16, body extent -31,-16 31,16, height 24
LED_0603R [mil]
  rect 32x32 smd: A(29.53,0) C(-29.53,0)
  silkscreen extent -57,-16 8,16, body extent -31,-16 31,16, height 24
LED_0603Y [mil]
  rect 32x32 smd: A(29.53,0) C(-29.53,0)
  silkscreen extent -57,-16 8,16, body extent -32,-16 32,16, height 24
MountingHole_3.2mm_M3_Pad_Via [mm]
  round 0.8 hole 0.5: 1(-2.4,0) 1(-1.697,-1.697) 1(-1.697,1.697) 1(0,-2.4) 1(0,2.4) 1(1.697,-1.697) 1(1.697,1.697) 1(2.4,0)
  round 6.4 hole 3.2 paste-2539.97 mask+0: 1(0,0)
MTS-102-C3 [mm]
  rect 3x3 hole 1.7: 1(12.95,4.7)
  round 3 hole 1.7: 2(12.95,0) 3(12.95,-4.7) SH(0,-2.5) SH(0,2.5)
  silkscreen extent -1.88,-6.43 14.68,6.63, body extent -18.33,-6.6 13.55,6.6, height 7.9
MX_1.25mm_8P [mm]
  rect 0.8x1.6 smd: 1(0,0) 2(1.226,0.031) 3(2.476,0.031) 4(3.726,0.031) 5(4.976,0.031) 6(6.226,0.031) 7(7.476,0.031) 8(8.726,0.031)
  rect 2.1x3 smd: SH1(-2.55,-2.9) SH2(11.276,-2.9)
  silkscreen extent -3.3,-4.95 12.03,0.7, body extent -3.26,-4.72 11.89,0.48, height 3.4
RELAY_HF46F_005-HS1 [mm]
  rect 1.8x1.8 / inner round 1.8 / far side rect 1.8x1.8 hole 1.2: 1(-9.2,2.35)
  round 1.8 hole 1.2: 2(-9.2,-2.35) 3(2.3,-2.35) 4(9.3,-2.35)
  silkscreen extent -11.12,-3.5 10.5,3.5, body extent -10.11,-3.58 10.39,3.42, height 15.6
RESISTOR_0402 [mil] "Chip Resistor, 2-Leads, Body 1.50x0.60mm, IPC Medium Density"
  rect 26x20 smd: 1(-23.62,0) 2(23.62,0)
  silkscreen extent -42,-15 42,15, body extent -20,-10 20,10, height 12
Resistor_0603 [mil]
  rect 30x32 smd: 1(-30.5,0) 2(30.5,0)
  silkscreen extent -51,-21 51,21, body extent -31,-16 31,16, height 28
Resistor_0805 [mil] "Chip Resistor, 2-Leads, Body 2,00x1,20mm, IPC Medium Density"
  rect 40x47 smd: 1(-33.5,0) 2(33.5,0)
  silkscreen extent -59,-29 59,29, body extent -39,-24 39,24, height 28
SOD-80 [mm]
  rect 1.37x1.73 smd: A(1.8,0) C(-1.8,0)
  silkscreen extent -3.1,-0.75 0.83,0.75, body extent -1.75,-0.76 1.75,0.83, height 1.6
SOD-123 [mm]
  rrect18% 1.21x0.73 smd: A(1.68,0) C(-1.68,0)
  silkscreen extent -2.9,-0.85 1.35,0.85, body extent -1.85,-0.8 1.85,0.8, height 1.25
SOIC-8 [mm]
  rect 1.97x0.6 smd: 1(-2.475,1.905) 2(-2.475,0.635) 3(-2.475,-0.635) 4(-2.475,-1.905) 5(2.475,-1.905) 6(2.475,-0.635) 7(2.475,0.635) 8(2.475,1.905)
  silkscreen extent -4.14,-2.5 2,2.5, body extent -3,-2.45 3,2.45, height 1.7
SOIC-8E [mm]
  rect 1.97x0.6 smd: 1(-2.475,1.905) 2(-2.475,0.635) 3(-2.475,-0.635) 4(-2.475,-1.905) 5(2.475,-1.905) 6(2.475,-0.635) 7(2.475,0.635) 8(2.475,1.905)
  rect 2.41x3.3 smd paste-3: 9(0,0)
  silkscreen extent -2.56,-2.5 2,3.04, body extent -3,-2.45 3,2.45, height 1.7
SOIC-16 [mm]
  rrect25% 2.05x0.59 smd: 1(-4.655,4.445) 2(-4.655,3.175) 3(-4.655,1.905) 4(-4.655,0.635) 5(-4.655,-0.635) 6(-4.655,-1.905) 7(-4.655,-3.175) 8(-4.655,-4.445) 9(4.655,-4.445) 10(4.655,-3.175) 11(4.655,-1.905) 12(4.655,-0.635) 13(4.655,0.635) 14(4.655,1.905) 15(4.655,3.175) 16(4.655,4.445)
  silkscreen extent -6.78,-5.15 3.75,5.15, body extent -5.16,-5.15 5.16,5.15, height 2.65
SolderBridgeOpen [mil]
  round 10 smd mask+0: 1(18,0) 2(-18,0)
  Top Layer region: -10,20 -10,-20 -19,-20 -30,-9 -30,10 -20,20
  Top Layer region: 10,20 10,-20 19,-20 30,-9 30,10 20,20
  Top Layer lines w10: 10,-20 ccw(c10,0) 10,20 10,-20 ; -10,-20 cw(c-10,0) -10,20 -10,-20
  silkscreen extent -34,-34 34,34
SOP-4 [mm]
  rrect25% 2.3x1.48 smd: 1(-4.35,1.27) 2(-4.35,-1.27) 3(4.35,-1.27) 4(4.35,1.27)
  silkscreen extent -6.03,-2.33 3.25,2.33, body extent -4.87,-2.29 4.87,2.29, height 4
SOT-23 [mm]
  rect 1.016x1.2 smd: 1(-0.95,-1.06) 2(0.95,-1.06) 3(0,1.06)
  silkscreen extent -1.46,-0.25 1.46,0.8, body extent -1.45,-1.37 1.45,1.43, height 1.3
SOT-23-6 [mm]
  rrect25% 1.21x0.59 smd: 1(-1.255,0.95) 2(-1.255,0) 3(-1.255,-0.95) 4(1.255,-0.95) 5(1.255,0) 6(1.255,0.95)
  silkscreen extent -2.65,-1.57 0.81,1.57, body extent -1.4,-1.46 1.4,1.46, height 1.44
Terminal_Block_3.81mm_2P [mm] "Horizontal PCB Header, pitch 3.81mm, 02p"
  rrect50% 2.1x2.1 hole 1.4: 1(-1.905,3.4)
  round 2.1 hole 1.4: 2(1.905,3.4)
  silkscreen extent -4.4,-4.6 4.41,4.6, body extent -4.4,-4.6 4.41,4.6, height 7.25
Terminal_Block_3.81mm_4P [mm] "Horizontal PCB Header, pitch 3.81mm, 04p"
  rrect50% 2.1x2.1 hole 1.4: 1(-5.715,3.4)
  round 2.1 hole 1.4: 2(-1.905,3.4) 3(1.905,3.4) 4(5.715,3.4)
  silkscreen extent -8.21,-4.6 8.22,4.6, body extent -8.21,-4.6 8.21,4.6, height 7.25
Terminal_Block_5.08mm_2P [mm] "5,08mm - PCB Headers - Horizontal - Opened ends - 02p"
  rrect50% 2.4x2.4 hole 1.6: 1(-2.54,4)
  round 2.4 hole 1.6: 2(2.54,4)
  silkscreen extent -5.08,-6 5.08,6, body extent -5.08,-6 5.08,6, height 8.55
TestPoint_Pad_3.0x3.0mm [mm]
  rect 3x3 smd paste-2539.97 mask+0: 1(0,0)
  silkscreen extent -1.7,-1.7 1.7,1.7
TestPoint_THTPad_D1.5mm_Drill0.7mm [mm]
  round 1.5 / inner round 1.524 / far side round 1.5 hole 0.7 paste-2539.97 mask+0: 1(0,0)
  silkscreen extent -0.95,-0.95 0.95,0.95
TSOT-23-6 [mm]
  rrect25% 1.21x0.59 smd: 1(-1.35,0.95) 2(-1.35,0) 3(-1.35,-0.95) 4(1.35,-0.95) 5(1.35,0) 6(1.35,0.95)
  silkscreen extent -2.63,-1.57 0.81,1.57, body extent -1.4,-1.45 1.4,1.45, height 0.97
USB_TypeC_3.1 [mm] "Usb Type C 3.1 16pins"
  rect 0.6x1.15 smd: A1B12(-3.2,4.745) A4B9(-2.4,4.745) B1A12(3.2,4.745) B4A9(2.4,4.745)
  rect 0.3x1.15 smd: A5(-1.25,4.745) A6(-0.25,4.745) A7(0.25,4.745) A8(1.25,4.745) B5(1.75,4.745) B6(0.75,4.745) B7(-0.75,4.745) B8(-1.75,4.745)
  oval 1.05x2.1 hole 0.65 slot 1.45 at 90 deg: SH(-4.325,0) SH(4.325,0)
  oval 1.05x2.3 hole 0.65 slot 1.75 at 90 deg: SH(-4.325,4.18) SH(4.325,4.18)
  round 0.65 hole 0.65 unplated: ""(-2.89,3.68) ""(2.89,3.68)
  silkscreen extent -4.47,-2.6 4.47,2.79, body extent -4.47,-2.6 4.47,5, height 3.26
VSSOP-10 [mm]
  rrect25% 1.47x0.28 smd: 1(-2.15,1) 2(-2.15,0.5) 3(-2.15,0) 4(-2.15,-0.5) 5(-2.15,-1) 6(2.15,-1) 7(2.15,-0.5) 8(2.15,0) 9(2.15,0.5) 10(2.15,1)
  silkscreen extent -2.28,-1.5 1.5,1.75, body extent -2.45,-1.5 2.45,1.5, height 1.1
XCVR_ESP32-S3-WROOM-1U-N16R8 [mm]
  rect 1.5x0.9 smd: 1(-8.75,8.41) 2(-8.75,7.14) 3(-8.75,5.87) 4(-8.75,4.6) 5(-8.75,3.33) 6(-8.75,2.06) 7(-8.75,0.79) 8(-8.75,-0.48) 9(-8.75,-1.75) 10(-8.75,-3.02) 11(-8.75,-4.29) 12(-8.75,-5.56) 13(-8.75,-6.83) 14(-8.75,-8.1) 27(8.75,-8.1) 28(8.75,-6.83) 29(8.75,-5.56) 30(8.75,-4.29) 31(8.75,-3.02) 32(8.75,-1.75) 33(8.75,-0.48) 34(8.75,0.79) 35(8.75,2.06) 36(8.75,3.33) 37(8.75,4.6) 38(8.75,5.87) 39(8.75,7.14) 40(8.75,8.41)
  rect 0.9x1.5 smd: 15(-6.985,-9.35) 16(-5.715,-9.35) 17(-4.445,-9.35) 18(-3.175,-9.35) 19(-1.905,-9.35) 20(-0.635,-9.35) 21(0.635,-9.35) 22(1.905,-9.35) 23(3.175,-9.35) 24(4.445,-9.35) 25(5.715,-9.35) 26(6.985,-9.35)
  rect 0.9x0.9 smd: 41_1(-2.9,2.09) 41_2(-1.5,2.09) 41_3(-0.1,2.09) 41_4(-2.9,0.69) 41_5(-1.5,0.69) 41_6(-0.1,0.69) 41_7(-2.9,-0.71) 41_8(-1.5,-0.71) 41_9(-0.1,-0.71)
  round 0.8 hole 0.4 mask+0: 41_10(-2.2,2.09) 41_11(-0.8,2.09) 41_12(-2.9,1.39) 41_13(-1.5,1.39) 41_14(-0.1,1.39) 41_15(-2.2,0.69) 41_16(-0.8,0.69) 41_17(-2.9,-0.01) 41_18(-1.5,-0.01) 41_19(-0.1,-0.01) 41_20(-2.2,-0.71) 41_21(-0.8,-0.71)
  silkscreen extent -9.42,-9.6 9,9.6, body extent -9,-9.6 9,9.6, height 3.35